# Allegro board 2522-mb-pro_vc.brd (continued)
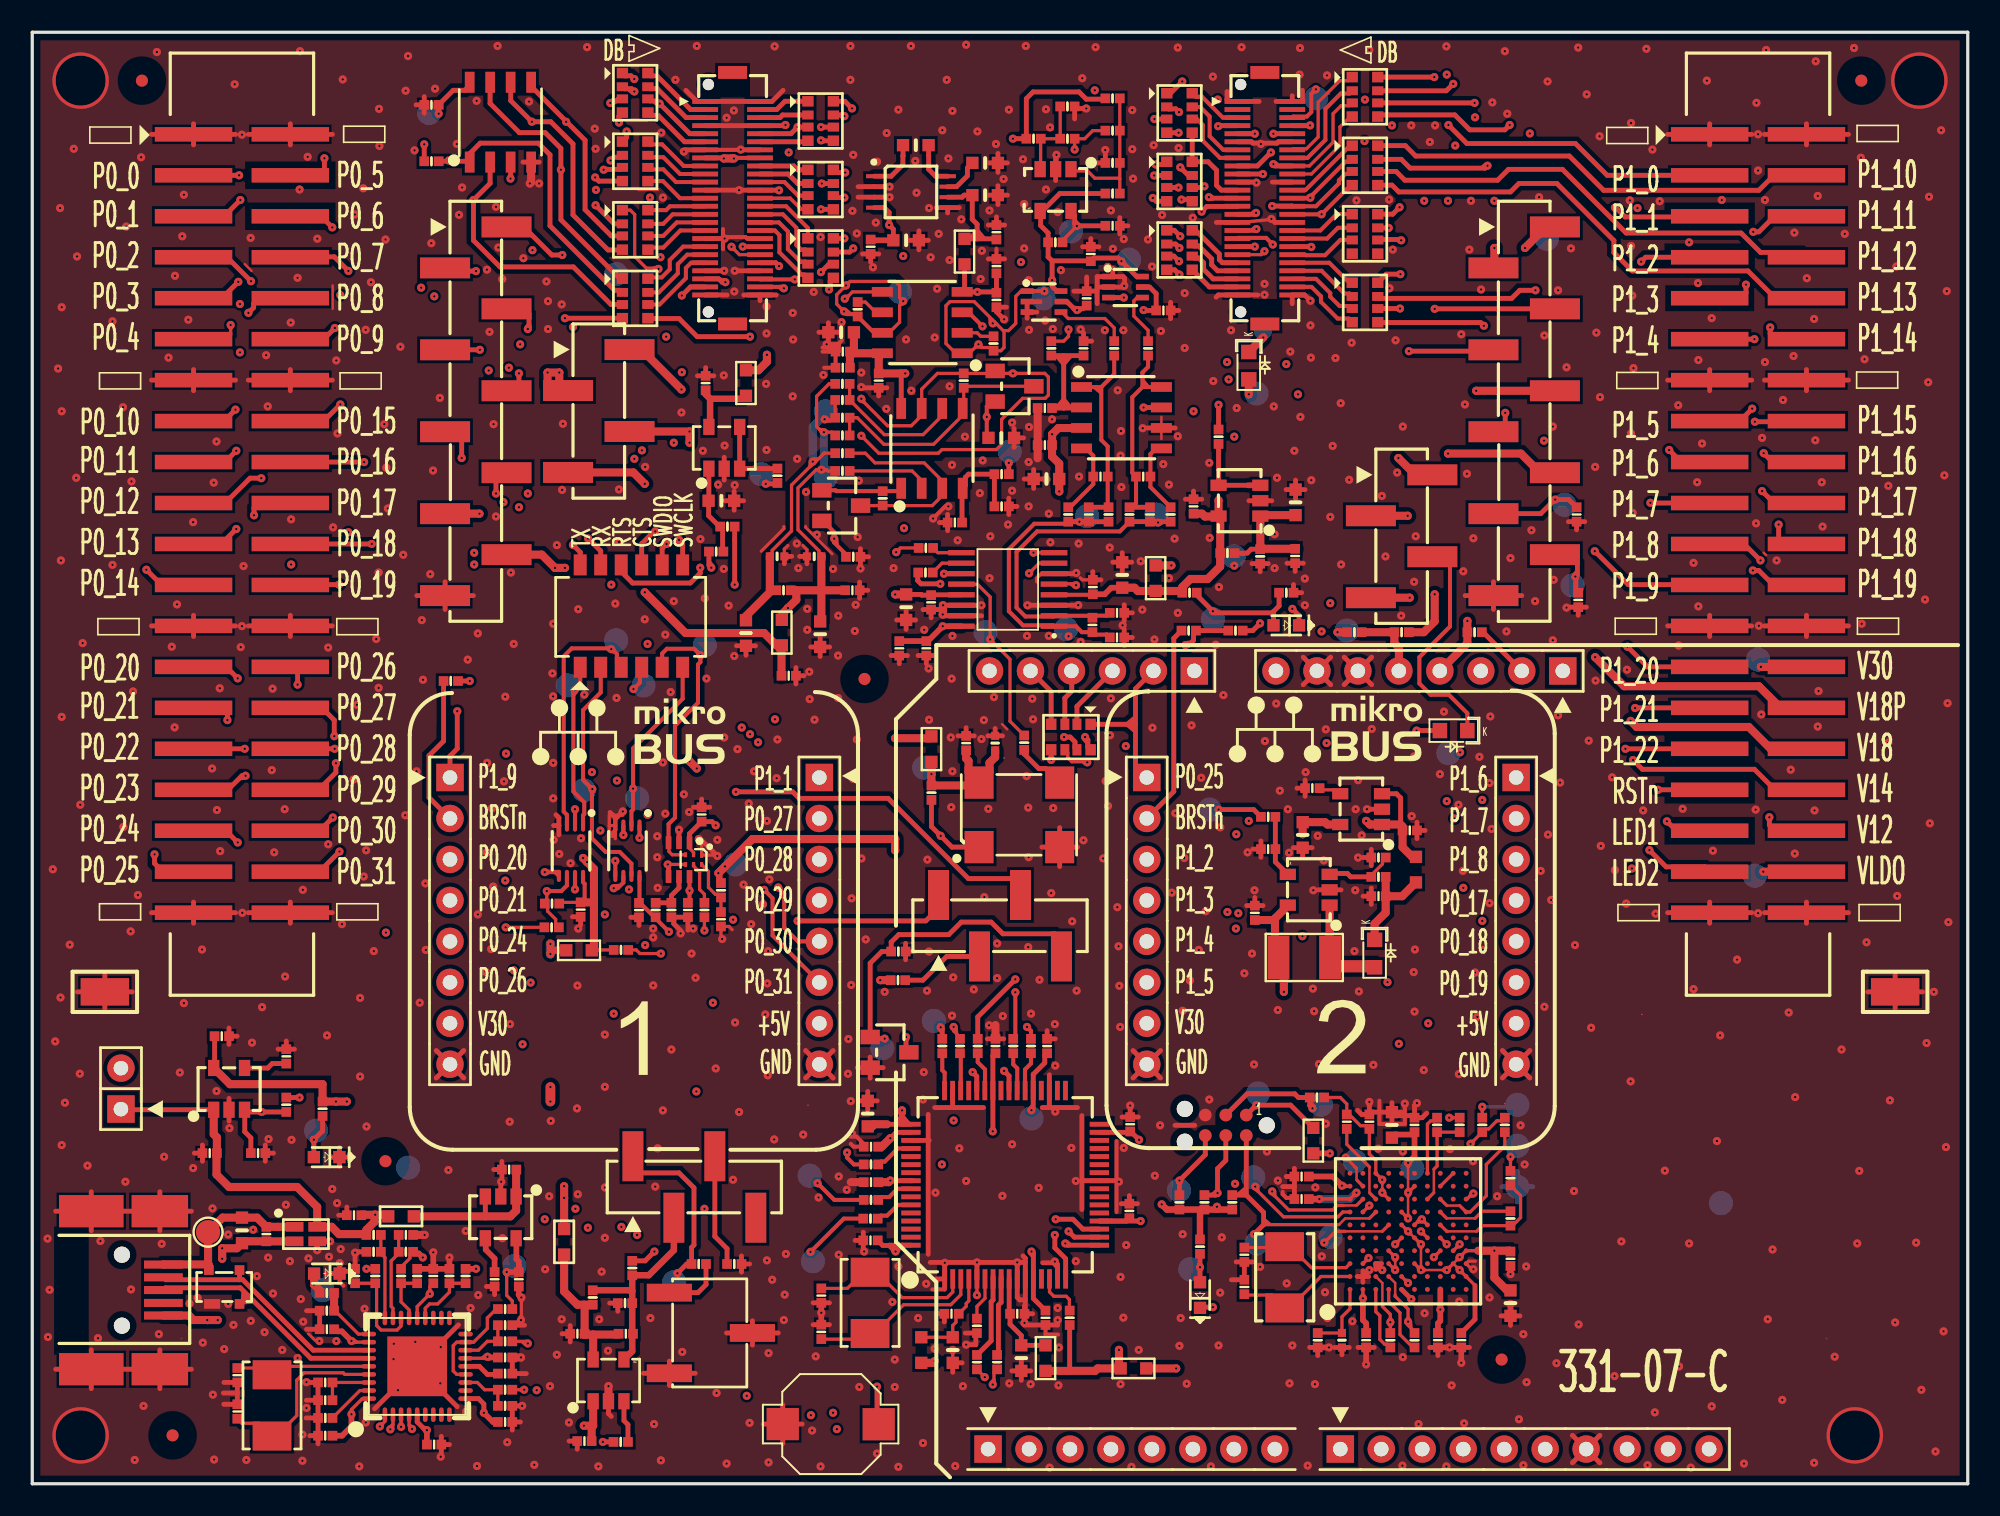
[diagram p0: board, top side]
## Routing (per net, layer and track width the routed paths; a pad name or vN(x,y) marks a point on that pad's centre or on a via; arc(x,y) is an arc through that point) (continued)
  TOP w0.25: 49.6,70.65 49.8,70.65 ; 49.6,70.65 v1(49.25,70.65) ; 49.6,70.65 49.6,70.25 49.65,70.2 ; 49.8,70.65 49.8,70.45 ; 49.8,70.65 49.95,70.65 ; C12.1 78.18,17.73 77.75,17.73 77.53,17.95 77.53,18.1 ; 49,70.45 49.8,70.45 ; 49.8,70.45 C95.2 ; C95.2 C93.1 49.1,69.2 ; C95.2 49.65,70.2 ; 19.06,13.03 19.06,12.52 19.3,12.28 ; 49.95,70.65 50.2,70.9 ; 49.95,70.65 50,70.6 50,70.2 ; J1.36 44.31,77.21 44.23,77.3 43.02,77.3 v1(42.92,77.21) ; 50.75,21.07 50.92,20.9 C60.1 51.55,21.07 51.1,21.52 50.73,21.52 ; 49.4,71.4 49.35,71.35 49.35,70.25 49.4,70.2 ; 83.53,23.75 83.53,22.31 85.1,22.31 v1(85.1,23.57) ; 49.4,70.2 49,70.2 ; 49.4,70.2 49.65,70.2 ; v1(56.8,60.6) 56.6,60.6 v1(55.85,59.85) ; 42.83,76.55 42.83,77.8 ; 36.15,41.23 U22.4 36.15,40.52 35.77,40.15 ; 43.91,82.71 J1.13 ; 55.8,12.05 56.57,12.05 U12.1 ; C48.1 62.82,9.25 63.6,9.25 ; 67.22,21.25 67.22,16.85 ; C107.2 59.78,76.58
  TOP w0.3: 10.05,20.5 C79.2 ; C79.2 10.55,20 ; C79.2 10.55,21 ; C105.1 76.18,39.85 ; C105.1 75.67,39.35 ; C105.1 76.18,38.84 ; R127.1 41.1,6.85 ; R127.1 39.5,7.61 ; R127.1 37.9,6.85 ; R127.1 39.5,6.09 ; v1(56.47,54.47) U8.14 v1(58.85,54.47) ; J2.37 v1(75.8,76.71) ; J1.14 43.94,82.71 v1(43.92,82.72) 43.91,82.71 ; 14.45,20 C104.1 ; C104.1 14.45,21 ; C104.1 14.95,20.5 ; 62.09,61.71 C26.2 ; C26.2 61.5,62.3 ; C26.2 62.67,62.3 ; C26.2 62.09,62.89 ; 19.5,17.16 C56.2 19,16.65 ; C78.1 16.25,26.95 ; C78.1 15.24,26.95 ; C78.1 15.75,27.45 ; 56.04,10.54 C55.1 56.55,10.04 ; 53.25,51.35 C84.1 ; C84.1 53.76,50.85 ; C84.1 54.26,51.35 ; 51.8,23.16 C61.2 ; C61.2 52.39,23.74 ; C61.2 51.21,23.74 ; C61.2 51.8,24.33 ; C87.1 85.85,41.02 ; C87.1 85.85,40.01 ; C87.1 86.36,40.51 ; 13.39,83.67 J3.2 ; J3.2 18.61,83.67 ; J3.2 16,83.02 ; J3.2 16,84.33 ; 60.55,60.09 R150.2 ; R150.2 60.55,61.1 ; R150.2 61.05,60.6 ; C36.1 59.7,46.83 ; C36.1 59.24,46.38 ; C36.1 60.16,46.38 ; C65.2 C66.2 17.02,6.28 v1(17,6.3) ; C65.2 R54.2 ; C65.2 17,5.18 ; v1(63.5,82.4) 63.48,82.38 63.48,81.4 ; 12.2,23.9 U14.2 12.2,22.48 ; J11.6 83.04,51.25 ; J11.6 81.34,51.25 ; J11.6 83.04,49.55 ; J11.6 81.34,49.55 ; 63.06,25.36 U12.35 63.06,23.4 ; 35.8,11.2 R25.2 36.3,10.7 ; 66.53,82.41 R115.1 66.03,81.9 ; 19.06,13.03 19.2,13.18 19.75,13.18 19.9,13.33 R58.2 v1(20.02,14.33) 19.96,14.38 R51.2 ; 19.06,13.03 18.23,13.03 ; 19.06,13.03 v1(19.06,13.68) ; 56.57,13.68 U12.1 56.04,12.7 ; C41.1 78.81,57.08 ; C41.1 77.8,57.08 ; C41.1 78.3,56.57 ; 83.3,13.29 U4.C3 83.66,13.65 ; C35.2 68.21,52.48 ; C35.2 67.7,51.97 ; C35.2 67.7,52.98 ; 95.49,3 J12.7 ; J12.7 97.19,1.3 ; J12.7 95.49,1.3 ; J12.7 97.19,3 ; Y2.2 63.7,40.68 ; Y2.2 64.81,39.48 ; Y2.2 62.59,39.48 ; Y2.2 63.7,38.27 ; 65.69,70.85 C29.1 65.18,71.35 ; C52.1 68.53,17.36 ; C52.1 67.52,17.36 ; C52.1 68.02,17.87 ; 51.3,55.4 51.3,55.91 ; 51.3,55.4 51.8,55.4 ; 51.3,55.4 51.3,54.9 ; 59.27,75.95 C107.2 60.28,75.95 ; 83.02,38.33 R84.2 ; R84.2 82.51,38.83 ; R84.2 83.02,39.34 ; 46.53,2.5 K1.2 ; K1.2 46.53,4.91 ; K1.2 47.73,3.7 ; K1.2 45.33,3.7 ; TP29.1 115.5,31.55 ; TP29.1 115.5,29.45 ; TP29.1 113.8,30.5 ; TP29.1 117.2,30.5 ; D5.1 19.04,20.84 ; D5.1 19.04,19.66 ; D5.1 19.63,20.25 ; D5.1 18.46,20.25 ; C39.1 68.21,54 ; C39.1 67.7,53.49 ; C39.1 67.7,54.51 ; 54.39,77.1 C113.2 ; C113.2 55.56,77.1 ; C113.2 54.97,77.69 ; C113.2 54.97,76.51 ; 59.29,79.9 C111.2 ; C111.2 59.87,79.31 ; C111.2 60.46,79.9 ; C111.2 59.87,80.49 ; 88.84,55.07 J20.10 ; J20.10 90.59,55.92 ; J20.10 90.59,54.22 ; J20.10 92.35,55.07 ; J4.39 106.61,35.41 ; J4.39 104,36.06 ; J4.39 101.39,35.41 ; J4.39 104,34.76 ; 13.39,35.41 J3.40 ; J3.40 18.61,35.41 ; J3.40 16,36.06 ; J3.40 16,34.76 ; v1(36.61,41.69) 36.15,41.23 36.15,41.3 35.83,41.62 ; 79.73,36.83 U18.2 81.14,36.83 ; 78.41,43.13 C88.2 ; C88.2 78.92,42.62 ; C88.2 78.92,43.63 ; 83.02,35.92 C89.1 ; C89.1 82.51,36.43 ; C89.1 83.02,36.94 ; 25.36,1.93 C73.1 ; C73.1 25.36,2.94 ; C73.1 25.87,2.43 ; 60.4,72.95 C108.1 59.78,72.67 v1(60.25,72.2) ; v1(79.3,76.69) 79.26,76.69 79.24,76.71 J2.38 ; C33.2 54.18,54.14 ; C33.2 54.77,53.56 ; C33.2 53.59,53.56 ; C33.2 54.18,52.97 ; J11.7 80.5,49.55 ; J11.7 78.8,51.25 ; J11.7 80.5,51.25 ; J11.7 78.8,49.55 ; 74.64,13.75 C18.2 ; C18.2 75.15,12.65 74.35,12.65 ; C18.2 75.66,13.75 ; J4.40 110,36.06 ; J4.40 107.39,35.41 ; J4.40 110,34.76 ; J4.40 112.61,35.41 ; 69.15,65.47 U7.6 70.86,65.47 ; J1.13 40.51,82.71 v1(40.4,82.6) ; C13.1 v1(91.65,13) ; U11.GND 23.86,7.29 26.43,9.85 ; U11.GND 23.86,7.28 21.23,4.65 ; U11.GND 23.86,7.26 26.35,4.78 ; 25.05,26.86 J15.8 ; J15.8 26.75,25.16 ; J15.8 26.75,26.86 ; J15.8 25.05,25.16 ; 80.75,8.45 C19.1 ; C19.1 81.2,8 ; C19.1 81.66,8.45 ; J4.1 104,84.33 ; J4.1 106.61,83.67 ; J4.1 101.39,83.67 ; J4.1 104,83.02 ; 95.75,59.15 C102.1 ; C102.1 95.25,59.65 ; C102.1 96.25,59.65 ; v1(46.7,84.25) 46.66,84.21 J1.8 J1.7 ; v1(40.2,34.12) 40.2,34.3 39.77,34.73 39.77,34.98 R149.2 C4.1 40.65,34.33 ; 62.48,73.3 U16.2 U16.3 ; 7.39,53.19 J3.25 ; J3.25 10,52.53 ; J3.25 10,53.84 ; J3.25 12.61,53.19 ; C6.1 85.7,23.45 v1(85.85,23.6) ; C6.1 85.68,22.7 85.55,22.82 84.52,22.82 C15.1 ; C6.1 86.17,22.7 86.45,22.98 ; C91.1 71.08,72.75 ; C91.1 70.58,73.25 ; C91.1 70.58,72.25 ; 34,34.65 C117.1 33.49,35.15 ; J2.12 77.26,83.21 77.17,83.12 76.22,83.12 v1(76.17,83.08) 76.12,83.12 75.67,83.12 75.59,83.21 J2.11 ; C15.1 84.89,23.04 ; C15.1 84.3,22.46 ; C15.1 84.3,23.63 ; C15.1 83.05,23.04 C10.1 ; 7.39,68.43 J3.13 ; J3.13 10,67.78 ; J3.13 10,69.08 ; J3.13 12.61,68.43 ; R54.2 16.98,4.08 ; R54.2 C68.2 ; C31.2 67.58,57.73 ; C31.2 66.99,57.14 ; C31.2 68.17,57.14 ; C31.2 67.58,56.56 ; C40.1 58.41,46.37 ; C40.1 57.4,46.37 ; C40.1 57.9,46.88 ; C106.1 44.84,51.96 ; C106.1 44.25,51.37 ; C106.1 43.66,51.96 ; C121.2 47.35,50.6 ; C121.2 47.85,50.1 ; C121.2 47.35,49.59 ; 77.75,19.05 C7.1 ; C7.1 78.25,18.43 ; C7.1 78.25,19.55 ; 58.5,9.34 58.5,8.62 v1(57.9,8.62) ; 58.5,9.34 R57.1 ; 58.5,9.34 57.85,9.34 ; 61.68,72.27 U16.3 ; U16.3 62.28,72.65 ; 44.12,73.71 J1.50 ; J1.50 45.12,73.36 ; J1.50 46.12,73.71 ; 16,67.78 J3.14 ; J3.14 13.39,68.43 ; J3.14 16,69.08 ; J3.14 18.61,68.43 ; 78.75,86.4 78.75,85.72 ; 56.04,79.12 56.76,79.12 ; 56.76,79.12 57.47,79.12 ; 56.76,79.12 56.76,78.8 ; 78.12,73.17 J2.50 78.89,73.71 v1(79.25,73.35) ; C43.1 55.94,51.35 ; C43.1 54.92,51.35 ; C43.1 55.43,50.85 ; 68.25,26.86 J17.8 ; J17.8 68.25,25.16 ; J17.8 69.95,25.16 ; J17.8 69.95,26.86 ; v1(53.15,79.78) 51.2,79.78 ; 43.05,9.35 R127.2 ; R127.2 46.26,9.35 ; R127.2 44.65,8.6 ; R127.2 44.65,10.11 ; 24.3,85 C92.1 ; C92.1 23.8,85.5 ; C92.1 24.3,86 ; 28.66,11.73 C76.1 28.16,12.23 ; J3.39 12.61,35.41 ; J3.39 10,34.76 ; J3.39 7.39,35.41 ; J3.39 10,36.06 ; R148.2 44.1,60.95 ; R148.2 43.52,60.36 ; R148.2 43.52,61.54 ; R148.2 42.93,60.95 ; J4.14 110,69.08 ; J4.14 112.61,68.43 ; J4.14 107.39,68.43 ; J4.14 110,67.78 ; 55.67,13.72 v1(58.58,13.72) ; v1(58.58,13.72) v1(61.07,13.72) ; v1(58.58,13.72) 58.57,13.72 U12.5 ; 78.25,18.43 C12.1 ; 78.25,18.43 77.53,18.43 ; C98.2 66.14,76.7 ; C98.2 65.12,76.7 ; C98.2 65.63,77.2 ; 110,52.53 J4.26 ; J4.26 107.39,53.19 ; J4.26 110,53.84 ; J4.26 112.61,53.19 ; C46.1 61.57,10.59 61.57,11.4 ; C46.1 61.52,11.04 ; C46.1 62.02,10.54 ; J1.35 v1(42.92,77.21) ; 63.45,80.8 U19.2 63.45,82.22 ; 54.15,32.49 R120.2 ; R120.2 54.15,33.51 ; R120.2 54.65,33 ; Q3.2 52.76,25.8 ; Q3.2 51.95,25.14 ; Q3.2 51.15,25.8 ; Q3.2 51.95,26.45 ; 51.48,76.25 C114.1 ; C114.1 52.48,76.25 ; C114.1 51.98,75.75 ; v1(64.85,54.48) 64.84,54.47 U8.3 v1(61.7,54.47) ; 67.56,22.74 C51.1 ; C51.1 68.58,22.74 ; C51.1 v1(68.07,23.45) ; 35.9,4.17 35.73,4.35 U5.2 ; 78.18,39.44 C86.2 ; C86.2 78.77,38.85 ; C86.2 79.35,39.44 ; 32.65,40.23 U23.4 ; U23.4 32.65,41.3 32.47,41.48 ; U23.4 32.32,40.81 ; 42.9,62.23 U1.2 42.9,63.65 ; 78.33,61.06 C44.2 ; C44.2 78.33,62.23 ; C44.2 78.91,61.64 ; C44.2 77.74,61.64 ; 3.66,15.7 USB1.8 ; USB1.8 1.45,16.9 ; USB1.8 3.66,18.11 ; USB1.8 USB1.9 ; TP28.1 4.5,31.55 ; TP28.1 4.5,29.45 ; TP28.1 6.21,30.5 ; TP28.1 2.79,30.5 ; 79.7,7.95 79.7,8.45 79.19,8.45 ; 77.11,85.71 J2.2 78.12,86.06 ; C85.1 75.8,36.35 ; C85.1 76.31,35.85 ; C85.1 75.3,35.85 ; C1.1 42.26,68.7 ; C1.1 41.24,68.7 ; C1.1 41.75,69.2 ; J16.8 49.65,26.86 ; J16.8 47.95,25.16 ; J16.8 49.65,25.16 ; J16.8 47.95,26.86 ; 67.14,18.79 U12.25 65.18,18.79 ; J1.44 v1(43.55,75.21) ; v1(61.52,9.97) 61.52,9.84 C48.1 63.58,9.84 v1(63.58,10.15) ; 101.39,68.43 J4.13 ; J4.13 106.61,68.43 ; J4.13 104,69.08 ; J4.13 104,67.78 ; 25.59,54.22 J19.10 ; J19.10 23.84,55.07 ; J19.10 25.59,55.92 ; J19.10 27.35,55.07 ; C97.1 67.43,78.5 ; C97.1 67.43,77.5 ; C97.1 67.93,78 ; 48.85,51.3 48.85,51.88 ; 48.85,51.88 48.26,51.88 ; 48.85,51.88 49.44,51.88 ; 48.85,51.88 48.85,52.47 ; USB1.9 7.91,18.11 ; USB1.9 9.87,16.9 ; USB1.9 7.91,15.7 ; 3.66,5.89 3.66,7.1 ; 3.66,7.1 1.45,7.1 ; 3.66,7.1 7.91,7.1 ; 3.66,7.1 3.66,8.3 ; 51.2,80.42 U20.2 v1(53.15,80.42) ; J4.25 106.61,53.19 ; J4.25 104,52.53 ; J4.25 104,53.84 ; J4.25 101.39,53.19 ; 51.52,14.59 51.52,15.09 ; 51.52,15.09 51.02,15.09 ; 51.52,15.09 51.52,15.6 ; 17.21,2.98 C68.2 ; C68.2 17.72,2.48 ; 37.11,35.12 C116.2 37.62,34.62 ; 12.2,27.25 C80.1 ; C80.1 12.7,27.75 ; C80.1 12.2,28.25 ; C103.2 96.36,54.35 ; C103.2 95.34,54.35 ; C103.2 95.85,53.85 ; J3.1 10,84.33 ; J3.1 7.39,83.67 ; J3.1 10,83.02 ; J3.1 12.61,83.67 ; J1.43 v1(42.9,75.21) ; R93.1 43.97,14.13 ; R93.1 44.48,13.62 ; R93.1 43.97,13.12 ; 17,9.58 C69.2 R56.2 17,10.73 ; 61.57,11.4 61.23,11.4 61.07,11.55 U12.10 v1(61.07,13.72) ; 61.57,11.4 U12.11 61.57,13.72 ; J18.8 92.85,25.16 ; J18.8 92.85,26.86 ; J18.8 91.15,25.16 ; J18.8 91.15,26.86 ; C3.1 42.01,41.95 ; C3.1 40.99,41.95 ; C3.1 41.5,42.45 ; 65.08,17 65.08,22.82 ; C45.2 61.32,7.58 ; C45.2 61.32,6.41 ; C45.2 61.91,7 ; C45.2 60.73,7 ; 71.5,61.05 C38.1 ; C38.1 72.5,61.05 ; C38.1 72,61.55 ; U12.47 57.06,23.34 57.08,23.32 ; 60.87,64.26 R112.2 ; R112.2 60.87,65.44 ; R112.2 61.46,64.85 ; v1(56.45,53.9) 56.53,53.82 U8.15 58.86,53.82 ; 62.92,28.09 C47.2 63.42,27.59 ; U13.2 29.05,18.7 v1(29.07,18.73) ; 46.63,57.05 C25.2 47.09,57.5 ; 65.75,56.55 C32.1 66.26,56.05 ; J1.23 v1(43.83,80.21) J1.24 46.29,80.21 v1(46.3,80.2) ; 110,83.02 J4.2 ; J4.2 110,84.33 ; J4.2 112.61,83.67 ; J4.2 107.39,83.67 ; 12.71,5.62 C63.2 11.88,6.28 ; 12.71,5.62 11.85,5.62 ; 12.71,5.62 C64.2 11.87,4.93 ; 62.65,13.7 63.33,13.7 v1(63.4,13.78) 63.57,13.61 U12.15 ; C24.2 49.36,71.99 ; C24.2 49.36,70.81 ; C24.2 48.77,71.4 ; U8.6 64.68,56.43 v1(64.72,56.48) ; 49.42,9.86 C74.2 48.41,9.86 ; 89.11,8.45 88.09,8.45 ; v1(41.33,39.98) 41.4,39.9 41.5,39.9 v1(42.48,38.92) ; 78.7,55.25 R136.1 78.2,55.76 ; v1(30.38,4.83) R50.2 C72.1 ; 51.35,56.97 R33.2 ; R33.2 51.85,57.48 ; R33.2 51.35,57.98 ; 30.63,6.83 C58.1 C71.1 ; 87.15,7.95 87.15,8.45 86.64,8.45 ; U4.B2 82.86,12.85 ; U4.B2 82.5,13.21 ; U4.B2 82.14,12.85 ; U4.B2 82.5,12.49 ; C112.1 60.28,78.05 ; C112.1 59.27,78.05 ; C112.1 59.78,78.55 ; 55.95,23.32 57.08,23.32 ; 57.08,23.32 58.98,23.32 ; 52.48,67.45 C23.1 ; C23.1 51.45,67.95 v1(51.4,68) ; C23.1 52.98,67.95 ; 30.43,81.95 U2.4 31.43,81.95 ; 66,73.95 65.53,73.95 65.45,74.03 C96.1 ; 82.17,23.15 82.43,22.9 C10.1 ; 29.98,9.83 R49.2 ; 29.98,9.83 30.52,9.83 ; 29.98,9.83 v1(30.3,10.15) ; v1(75.9,80.67) 75.86,80.71 J2.21 ; 13.39,53.19 J3.26 ; J3.26 16,52.53 ; J3.26 18.61,53.19 ; J3.26 16,53.84 ; C118.1 56.75,60.1 ; C118.1 56.25,59.6 ; C118.1 56.75,59.09 ; 61.57,13.72 61.57,13.98 61.42,14.12 ; 61.57,13.72 v1(61.07,13.72) ; v1(76.83,78.42) 77.04,78.21 J2.32 ; 70.85,22.23 72.08,22.23 ; C72.1 30.27,3.83 ; C72.1 29.76,3.33 ; 82.19,8.45 83.2,8.45 ; 46.55,86.4 45.86,85.71 J1.2 J1.1 41.22,85.71 40.52,86.4 ; 55.73,54.2 56.52,54.2 ; 55.73,54.2 55.23,54.2 ; 55.73,54.2 55.73,53.7 ; C96.1 64.58,73.95 ; C96.1 65.38,74.83 ; 66.99,74.85 67.62,74.85 67.72,74.75 67.72,74.3 v1(67.7,74.28) 67.62,74.2 U15.2 66.17,74.2 ; 66.99,74.85 U15.1 66.03,74.85 66.03,73.17 ; 66.99,74.85 66.99,75.36 ; 91.06,10.41 C14.1 ; C14.1 91.65,9.82 ; C14.1 92.24,10.41 ; 73.4,73.58 73.53,73.71 J2.49 75.98,73.71 ; R80.2 76.64,57.05 ; R80.2 76.13,56.55 ; R80.2 75.62,57.05 ; 7.91,5.89 7.91,7.1 ; 7.91,7.1 7.91,8.3 ; 7.91,7.1 9.87,7.1 ; J1.49 43.09,73.71 ; 29.12,18.98 C75.1 ; C75.1 29.12,19.98 ; C75.1 28.61,19.48 ; 75.43,60.95 U10.2 76.85,60.95 ; C110.2 60.46,81.9 ; C110.2 59.87,81.31 ; C110.2 59.87,82.49 ; C110.2 59.29,81.9 ; 49.4,71.4 50.09,71.4 ; C10.1 v1(82.9,23.68) ; 33.79,2.14 C20.2 33.28,2.65 ; 57.66,7.5 C54.2 57.07,6.91 ; 59.22,27.59 C50.2 60.23,27.59 ; 48.03,57.05 C28.1 47.58,57.5 ; 64.8,23.32 62.62,23.32 ; 55.55,22.9 55.55,14.22 ; v1(65.35,85.28) 64.75,85.28 64.63,85.4 64.63,84.63 ; U21.2 v1(40.1,40.55) ; 76.06,85.71 J2.1 74.22,85.71 74.08,85.85 74.08,86.33 ; 33.35,8.79 C21.1 ; C21.1 32.85,9.3 ; C21.1 33.35,9.8 ; J2.22 76.89,80.71 ; 49.42,11.22 C67.1 48.41,11.22 ; U17.2 v1(82.75,41.83) ; U12.51 55.61,21.29 ; J2.31 73.42,78.21
  TOP w0.35: C70.2 R60.2 ; C70.2 R64.2 v1(25.86,14.03) ; C70.2 v1(24.86,14.35) ; 87.15,8.45 87.78,8.45 87.83,8.5 v1(87.88,8.45) ; v1(17.66,14.48) L1.3 v1(18.46,15.03) ; C46.1 v1(61.52,9.97) ; 88.6,8.45 v1(88.6,7.5) ; C77.1 30.16,11.71 v1(30.32,11.55) ; 79.7,8.45 v1(80.4,8.45) ; C74.2 v1(48.92,10.6) C67.1 ; C14.1 v1(91.65,11.15) ; 82.7,8.45 v1(82.7,7.4)
  TOP w0.5: 62.33,63.58 C27.1 C99.1 ; C71.1 v1(30.3,7.83) ; C59.1 v1(24.32,15.43) ; U5.2 v1(35.73,6.05) ; C50.2 59.72,28.45 ; v1(56.45,53.9) 56.47,53.92 v1(56.47,54.47) ; U2.4 30.93,80.7 v1(30.85,80.62) ; C53.1 50.75,18.7
  L2_INT1 w0.3: J15.8 26.75,26.86 ; J15.8 25.05,26.86 ; J15.8 25.05,25.16 ; J15.8 26.75,25.16 ; J16.8 49.65,26.86 ; J16.8 49.65,25.16 ; J16.8 47.95,25.16 ; J16.8 47.95,26.86 ; J18.8 92.85,25.16 ; J18.8 91.15,26.86 ; J18.8 91.15,25.16 ; J18.8 92.85,26.86 ; 78.8,49.55 J11.7 ; J11.7 80.5,51.25 ; J11.7 78.8,51.25 ; J11.7 80.5,49.55 ; J11.6 83.04,49.55 ; J11.6 83.04,51.25 ; J11.6 81.34,51.25 ; J11.6 81.34,49.55 ; 68.25,25.16 J17.8 ; J17.8 69.95,26.86 ; J17.8 68.25,26.86 ; J17.8 69.95,25.16 ; 95.49,1.3 J12.7 ; J12.7 97.19,1.3 ; J12.7 95.49,3 ; J12.7 97.19,3
  L3_INT2 w0.15: v1(76.83,78.42) 76.7,78.3 75.58,78.3
  L3_INT2 w0.3: 91.15,26.86 J18.8 ; J18.8 92.85,26.86 ; J18.8 92.85,25.16 ; J18.8 91.15,25.16 ; J11.7 80.5,51.25 ; J11.7 78.8,51.25 ; J11.7 78.8,49.55 ; J11.7 80.5,49.55 ; J11.6 83.04,49.55 ; J11.6 81.34,49.55 ; J11.6 81.34,51.25 ; J11.6 83.04,51.25 ; 95.49,1.3 J12.7 ; J12.7 95.49,3 ; J12.7 97.19,3 ; J12.7 97.19,1.3 ; 25.05,26.86 J15.8 ; J15.8 26.75,26.86 ; J15.8 25.05,25.16 ; J15.8 26.75,25.16 ; 47.95,26.86 J16.8 49.65,26.86
  L3_INT2 w0.5: v1(85.5,84.22) v1(86.97,84.22) ; 67.51,26.01 J17.8 70.53,26.01
  L4_INT3 w0.3: J16.8 49.65,25.16 ; J16.8 49.65,26.86 ; J16.8 47.95,26.86 ; J16.8 47.95,25.16 ; 25.05,25.16 J15.8 ; J15.8 26.75,25.16 ; J15.8 25.05,26.86 ; J15.8 26.75,26.86 ; J11.6 83.04,49.55 ; J11.6 81.34,51.25 ; J11.6 83.04,51.25 ; J11.6 81.34,49.55 ; 95.49,1.3 J12.7 ; J12.7 95.49,3 ; J12.7 97.19,1.3 ; J12.7 97.19,3 ; J11.7 80.5,51.25 ; J11.7 80.5,49.55 ; J11.7 78.8,51.25 ; J11.7 78.8,49.55 ; 91.15,26.86 J18.8 ; J18.8 91.15,25.16 ; J18.8 92.85,25.16 ; J18.8 92.85,26.86 ; J17.8 69.95,26.86 ; J17.8 68.25,26.86 ; J17.8 69.95,25.16 ; J17.8 68.25,25.16
  L5_INT4 w0.3: 80.28,51.52 J11.7 79.65,52.02 ; J11.6 83.04,51.25 ; J11.6 82.19,51.91 ; J11.6 82.19,48.91 ; J11.6 83.04,49.55 ; J16.8 49.65,25.16 ; J16.8 49.65,26.86 ; J16.8 47.95,25.16 ; J16.8 47.95,26.86 ; J12.7 97.19,3 ; J12.7 95.49,1.3 ; J12.7 95.49,3 ; J12.7 97.19,1.3 ; J18.8 92.85,25.16 ; J18.8 92.85,26.86 ; J18.8 91.15,26.86 ; J17.8 69.95,25.16 ; J17.8 68.25,26.86 ; J17.8 69.95,26.86 ; J17.8 68.25,25.16 ; 25.05,26.86 J15.8 ; J15.8 26.75,25.16 ; J15.8 26.75,26.86 ; J15.8 25.05,25.16
  BOTTOM w0.3: 25.05,25.16 J15.8 ; J15.8 26.75,25.16 ; J15.8 25.05,26.86 ; J15.8 26.75,26.86 ; 47.95,26.86 J16.8 ; J16.8 49.65,25.16 ; J16.8 49.65,26.86 ; J16.8 47.95,25.16 ; 68.25,26.86 J17.8 ; J17.8 68.25,25.16 ; J17.8 69.95,26.86 ; J17.8 69.95,25.16 ; 92.08,17.46 TP78.1 ; TP78.1 93.03,18.41 ; TP78.1 92.08,19.37 ; TP78.1 91.12,18.41 ; J18.8 92.85,25.16 ; J18.8 91.15,26.86 ; J18.8 92.85,26.86 ; J18.8 91.15,25.16 ; J11.7 80.5,51.25 ; J11.7 78.8,49.55 ; J11.7 80.5,49.55 ; J11.7 78.8,51.25 ; 95.49,3 J12.7 ; J12.7 95.49,1.3 ; J12.7 97.19,1.3 ; J12.7 97.19,3 ; J11.6 83.04,51.25 ; J11.6 81.34,49.55 ; J11.6 81.34,51.25 ; J11.6 83.04,49.55
  vias: v1(0.95,15.2) v1(0.97,9.1) v1(1.07,12.03) v1(1.27,38.1) v1(1.43,27.43) v1(1.6,69.15) v1(1.73,79.1) v1(1.82,72.95) v1(1.82,66.5) v1(1.77,57.25) v1(1.82,47.55) v1(1.75,30.15) v1(1.82,21) v1(2.02,23.62) v1(2.33,33.42) v1(2.58,82.78) v1(2.73,62.38) v1(2.77,76.1) v1(2.98,42.1) v1(2.95,25.43) v1(3.12,52.12) v1(3.42,19.73) v1(4.08,9.03) v1(4.22,15.05) v1(4.97,72.08) v1(4.97,56.98) v1(5.62,66.75) v1(5.65,40.73) v1(5.83,77.95) v1(5.78,18.73) v1(6.1,34.25) v1(6.12,12.05) v1(6.15,62.15) v1(6.25,49.12) v1(6.35,1.48) v1(6.55,36.5) v1(6.75,82.25) v1(6.9,4.83) v1(7.72,88.78) v1(7.85,9.28) v1(8.03,14.88) v1(8.18,20.27) v1(8.45,69.83) v1(8.65,51.9) v1(8.85,74.9) v1(8.82,46.9) v1(8.97,54.52) v1(9.15,25.5) v1(9.3,77.35) v1(9.4,79.92) v1(9.4,29.8) v1(9.68,72.17) v1(9.75,11.18) v1(9.97,59.62) v1(9.97,19.57) v1(10.25,11.53) v1(10.53,33.12) v1(10.57,8.75) v1(11.25,62.08) v1(11.15,44.35) v1(11.18,17.07) v1(11.2,5.53) v1(11.28,1.5) v1(11.43,64.62) v1(11.45,41.77) v1(11.43,24.35) v1(11.62,49.33) v1(11.65,39.23) v1(11.9,8.35) v1(12.22,22.05) v1(12.15,15.45) v1(12.15,11.15) v1(12.47,9.85) v1(12.55,86.78) v1(12.93,51.88) v1(13,83.65) v1(13,53.17) v1(13.03,35.4) v1(13.1,56.9) v1(13.28,1.48) v1(13.54,77.25) v1(13.62,27.35) v1(13.55,10.1) v1(13.7,15.75) v1(13.93,12.88) v1(14.25,29.55) v1(14.4,9.4) v1(14.5,69.97) v1(14.6,66.8) v1(14.62,14.03) v1(14.65,21.38) v1(14.85,44.25) v1(14.9,49.3) v1(14.93,11.8) v1(15,39.15) v1(15.5,8.3) v1(15.65,41.83) v1(15.68,31.45) v1(15.72,17.3) v1(16.02,72) v1(15.97,13.8) v1(16.05,59.8) v1(16.07,21.32) v1(16.45,74.78) v1(16.45,7.8) v1(16.6,88.83) v1(16.57,80.25) v1(16.65,11.45) v1(16.77,36.83) v1(16.8,10.05) v1(16.75,3.05) v1(16.75,1.43) v1(17,4.7) v1(17.07,82.28) v1(17.12,13.97) v1(17.68,77.2) v1(17.8,8.85) v1(18.27,27.8) v1(18.35,51.85) v1(18.35,39.65) v1(18.4,14.07) v1(18.65,59.3) v1(18.6,18.27) v1(18.85,69.65) v1(18.93,65.12) v1(18.9,17.4) v1(18.85,8.85) v1(19.12,14.55) v1(19.25,87.08) v1(19.2,34.7) v1(19.93,43.67) v1(20,78.7) v1(20.12,48.3) v1(20.32,30.12) v1(20.32,25.25) v1(20.27,1.07) v1(20.52,80.33) v1(20.55,37.65) v1(20.6,10.85) v1(20.68,71.55) v1(20.7,39.27) v1(20.73,22.15) v1(20.68,3.8) v1(21,74.5) v1(21.18,33.02) v1(21.32,52.38) v1(21.5,85.25) v1(21.52,82.95) v1(21.48,56.5) v1(21.48,49.35) v1(21.82,65.7) v1(21.9,77.15) v1(21.95,63) v1(22.05,60.48) v1(22.41,8.68) v1(22.4,7.72) v1(22.68,5.8) v1(22.82,70.5) v1(23,57.6) v1(23.15,86.38) v1(23.12,41.45) v1(23.3,88.53) v1(23.7,82.67) v1(23.82,44.17) v1(23.75,8.8) v1(24.02,29.82) v1(24.15,53.55) v1(24.23,49.85) v1(24.38,37.23) v1(24.4,33.1) v1(24.74,76.92) v1(24.68,56.4) v1(24.85,62.83) v1(24.98,86.5) v1(25.27,67.33) v1(25.32,8.47) v1(25.3,6.22) v1(25.32,1.68) v1(25.8,19.45) v1(26.32,83.08) v1(26.46,78.68) v1(26.65,80.38) v1(26.88,15.68) v1(26.9,4.47) v1(27,51.1) v1(27.18,10.9) v1(27.55,85.75) v1(27.62,52.73) v1(27.62,35.3) v1(27.65,11.7) v1(27.57,1.1) v1(28.1,31.75) v1(28.19,75.28) v1(28.2,44.7) v1(28.18,39.15) v1(28.35,71.42) v1(28.45,33.15) v1(28.5,41.88) v1(28.6,65.7) v1(28.57,37.02) v1(28.75,79.17) v1(28.75,59.98) v1(28.85,89.15) v1(28.9,76.65) v1(29.14,74.69) v1(29.15,15.22) v1(29.25,43.55) v1(29.32,48.8) v1(29.45,2.58) v1(29.62,28.5) v1(29.6,22.45) v1(29.68,56.5) v1(29.85,52.08) v1(30.45,75.99) v1(30.8,85.7) v1(31.12,1.18) v1(31.43,80.62) v1(31.8,13.3) v1(31.88,74.55) v1(31.98,73.33) v1(31.98,71.6) v1(32.05,17.82) v1(32.15,22.5) v1(32.1,6.05) v1(32.25,50.25) v1(32.3,53.33) v1(32.29,48.82) v1(32.3,44.7) v1(32.3,42.5) v1(32.33,39.92) v1(32.52,58.2) v1(32.52,8) v1(32.67,39.05) v1(32.83,73.12) v1(32.83,10.2) v1(32.9,65.72) v1(32.85,61.62) v1(33.27,3.8) v1(33.38,38.48) v1(33.8,30.89) v1(33.77,23.27) v1(33.83,17.95) v1(33.85,54.23) v1(33.85,34.42) v1(34.02,40.02) v1(34.23,48.93) v1(34.4,89.08) v1(34.88,84.03) v1(34.92,82.78) v1(35.15,10.2) v1(35.1,1.07) v1(35.3,13.15) v1(35.5,27.85) v1(35.5,24.61) v1(35.51,18.37) v1(35.5,15.25) v1(35.7,8.25) v1(36.15,54.58) v1(36.23,48.73) v1(36.23,44.75) v1(36.38,61.65) v1(36.38,58.4) v1(38,63.05) v1(37.98,53.6) v1(38.33,10.28) v1(38.5,34.42) v1(38.5,33.88) v1(38.5,30.9) v1(38.55,3.7) v1(38.62,18.43) v1(38.75,40.15) v1(38.75,38.85) v1(38.77,36.95) v1(38.77,20.8) v1(39,83.78) v1(38.95,76.05) v1(38.98,1.45) v1(39.1,79.75) v1(39.1,44.73) v1(39.1,23.15) v1(39.25,52.65) v1(39.25,41.55) v1(39.58,49.09) v1(39.62,26.93) v1(39.77,54.73) v1(39.88,87.05) v1(40.25,66.42) v1(40.3,8.18) v1(40.4,42.75) v1(40.73,41.65) v1(40.88,32.88) v1(40.98,34.42) v1(41.12,31.38) v1(41.2,89.15) v1(41.42,58.58) v1(41.58,64.05) v1(41.7,54.9) v1(41.8,49.92) v1(42.38,25.75) v1(42.42,5.62) v1(42.52,61.95) v1(42.48,39.92) v1(42.77,33.77) v1(42.88,68.72) v1(42.92,64.38) v1(42.88,56.73) v1(42.9,46.27) v1(43.05,84.7) v1(43.05,1.25) v1(43.17,54.45) v1(43.5,85.15) v1(43.52,73.92) v1(43.55,61.92) v1(43.52,51.33) v1(43.45,18.85) v1(43.58,28.6) v1(43.73,45.55) v1(43.83,23.05) v1(44.1,37.15) v1(44.42,42.17) v1(44.48,3.77) v1(44.58,34.7) v1(44.75,44.17) v1(45.3,35.92) v1(45.52,73) v1(45.52,71.33) v1(45.5,68.2) v1(45.52,64.1) v1(45.55,41.1) v1(45.45,29.1) v1(45.55,13.85) v1(45.62,33.02) v1(45.58,31.02) v1(45.6,25.32) v1(45.65,8.1) v1(45.65,1.32) v1(45.7,37.48) v1(45.88,12.65) v1(46.02,89.12) v1(46,21.35) v1(46.15,43.75) v1(46.2,46.15) v1(46.65,11.72) v1(46.6,10.15) v1(46.73,14.25) v1(47.15,72.6) v1(47.15,67.42) v1(47.17,70.95) v1(47.42,63.55) v1(47.4,58.3) v1(47.5,56.77) v1(47.8,21.65) v1(47.98,61.5) v1(48.05,54.25) v1(48.05,52.95) v1(48.17,50.35) v1(48.2,48.65) v1(48.35,3.3) v1(48.45,73.9) v1(48.5,47.38) v1(48.65,58.85) v1(48.58,7.9) v1(48.75,17.75) v1(48.88,77.3) v1(48.88,1.07) v1(49.05,68.75) v1(49.65,56.73) v1(49.98,53.83) v1(49.96,51.35) v1(49.96,48.72) v1(50,19.05) v1(50,14.2) v1(50.17,72.03) v1(50.5,18.23) v1(50.6,27.57) v1(50.58,25.43) v1(50.73,89.15) v1(50.73,87.05) v1(50.8,36.3) v1(50.77,30.93) v1(50.75,23.73) v1(50.82,21.71) v1(50.9,82.4) v1(50.85,78.92) v1(50.9,43.7) v1(51.05,54.5) v1(51,52.88) v1(51.12,77.53) v1(51.12,46.15) v1(51.25,62.2) v1(51.17,58.7) v1(51.27,6) v1(51.4,68.9) v1(51.35,56.75) v1(51.41,38.77) v1(51.57,14.4) v1(51.67,33.75) v1(52.12,75.42) v1(52.3,78.2) v1(52.38,81.97) v1(52.38,1.88) v1(52.85,30.5) v1(52.98,83.75) v1(52.95,66.65) v1(53.33,11.28) v1(53.4,56.77) v1(53.48,7.7) v1(53.48,6) v1(53.7,85.2) v1(53.7,13.47) v1(53.7,1.05) v1(54.17,70.95) v1(54.48,89.15) v1(54.5,67.78) v1(54.75,82.03) v1(54.83,80.05) v1(54.92,10.28) v1(55.23,23.82) v1(55.23,2.52) v1(55.3,52.95) v1(55.27,25.52) v1(55.42,12.4) v1(55.5,38.7) v1(55.48,30.57) v1(55.6,79.1) v1(55.58,50.55) v1(55.6,47.38) v1(55.6,33) v1(55.7,76.05) v1(55.95,71.08) v1(56,18.05) v1(55.95,8.38) v1(56.1,74.1) v1(56.2,77.5) v1(56.42,83.92) v1(56.58,13.7) v1(56.7,87.05) v1(56.8,82.17) v1(56.88,75.88) v1(56.88,68.05) v1(57.05,85.12) v1(57.02,63.17) v1(57.05,52.57) v1(57,49.92) v1(56.95,46.27) v1(57.05,44.17) v1(56.98,41.95) v1(57.02,29.02) v1(57.1,31.4) v1(57.23,1.1) v1(57.38,58.5) v1(57.48,20.8) v1(57.6,78.4) v1(57.7,6.05) v1(57.83,64.92) v1(57.9,89.22) v1(57.9,18.77) v1(58.38,30.65) v1(58.6,83.85) v1(58.8,74.7) v1(58.75,61.42) v1(58.88,76.45) v1(58.92,63.45) v1(58.85,46.17) v1(59,47.35) v1(59.02,36.38) v1(59.27,41.85) v1(59.32,28.43) v1(59.35,78.95) v1(59.4,58.75) v1(59.35,56.15) v1(59.62,48.77) v1(59.75,83.08) v1(59.83,33.5) v1(59.83,31.35) v1(60.15,17.85) v1(60.23,80.9) v1(60.17,29) v1(60.55,85.2) v1(60.5,59.48) v1(60.58,6.22) v1(60.75,65.8) v1(60.75,61.58) v1(60.75,21.05) v1(61.42,82.12) v1(61.5,79.35) v1(61.5,76.6) v1(61.6,89.15) v1(61.65,43.88) v1(61.67,52.58) v1(61.77,74.62) v1(61.8,71.55) v1(61.8,65.53) v1(61.77,63.35) v1(61.77,60.6) v1(61.75,41.92) v1(61.77,38.85) v1(61.75,33.27) v1(61.92,29.15) v1(61.9,6.17) v1(62,48.67) v1(62.05,47.4) v1(62.4,18.35) v1(62.45,31.25) v1(62.8,72.12) v1(62.85,85.22) v1(62.85,80.25) v1(62.88,62.27) v1(63.02,60.15) v1(63.02,52.58) v1(63.1,84.1) v1(63.12,58.38) v1(63.08,1) v1(63.23,66) v1(63.17,36.62) v1(63.27,71.6) v1(63.3,41.9) v1(63.4,28.5) v1(63.42,25.93) v1(63.42,23.07) v1(63.58,78.85) v1(63.58,10.9) v1(63.65,8.45) v1(63.62,6.1) v1(63.77,75.25) v1(64.42,20.82) v1(64.47,34.88) v1(64.7,18.77) v1(64.7,13.8) v1(64.75,30.57) v1(64.9,68.9) v1(64.9,62.45) v1(64.88,58.3) v1(65,71.58) v1(65,52.2) v1(65.1,87.15) v1(65.17,39.9) v1(65.92,89.08) v1(66.4,38.77) v1(66.53,82.7) v1(66.5,71.53) v1(66.55,43.58) v1(66.67,75.45) v1(66.7,42.02) v1(66.8,58.05) v1(66.82,46.41) v1(66.88,78.95) v1(66.88,48.7) v1(67,76.58) v1(67.3,67.8) v1(67.28,35.75) v1(67.35,33.33) v1(67.4,30.88) v1(67.38,18.73) v1(67.5,65.28) v1(67.47,63.75) v1(67.53,61.8) v1(67.45,28.32) v1(67.47,12.82) v1(67.47,6.17) v1(67.6,53.23) v1(67.67,77.17) v1(67.65,71.53) v1(67.67,20.82) v1(67.65,10.3) v1(67.83,14.8) v1(68.2,85.17) v1(68.2,82.75) v1(68.25,80.92) v1(68.15,1.05) v1(68.6,8.3) v1(68.72,57.2) v1(68.85,65.45) v1(68.83,54.2) v1(69.17,77.15) v1(69.42,75.47) v1(69.53,83) v1(69.45,46.88) v1(69.58,52.35) v1(69.6,19.1) v1(69.92,22.23) v1(70.05,78.67) v1(69.97,71.47) v1(70.12,63.23) v1(70.47,61.95) v1(70.47,56.15) v1(70.65,36.65) v1(70.83,58.6) v1(70.88,41.58) v1(71.03,89.05) v1(71.03,64.95) v1(71.03,54) v1(71.08,82.83) v1(71.12,8.55) v1(71.2,10.28) v1(71.33,29.32) v1(71.33,15.47) v1(71.42,38.8) v1(71.45,73.83) v1(71.45,70.42) v1(71.58,6.2) v1(71.78,31.2) v1(71.88,47.02) v1(71.95,78.5) v1(72.33,33.1) v1(72.47,43.77) v1(72.75,35.5) v1(72.97,63.3) v1(73,58.65) v1(72.97,23.82) v1(73.08,1.07) v1(73.2,87.25) v1(73.22,68.38) v1(73.38,52.02) v1(73.55,8.57) v1(73.58,55.6) v1(73.65,40.7) v1(73.65,11.85) v1(73.85,48.9) v1(73.75,15.28) v1(74.33,71.53) v1(74.58,18.6) v1(74.67,66.7) v1(74.97,89.08) v1(75.15,31.65) v1(75.35,39.15) v1(75.62,32.88) v1(75.78,36.8) v1(75.75,26) v1(76.12,13.45) v1(76.4,74.4) v1(76.4,73.72) v1(76.42,46.05) v1(76.55,20.6) v1(76.97,66.8) v1(77.03,58.88) v1(77.03,56.77) v1(77.12,48.38) v1(77.17,62.38) v1(77.22,29.38) v1(77.22,18.8) v1(77.35,42.98) v1(77.85,41.83) v1(77.78,12.43) v1(77.92,39.12) v1(78,70.2) v1(77.95,6.22) v1(78.12,8.57) v1(78.25,64.05) v1(78.6,89.03) v1(78.58,87.38) v1(78.62,66.15) v1(78.9,56.12) v1(78.9,54.48) v1(78.95,44.12) v1(79.08,1.12) v1(79.25,71.83) v1(79.28,69.83) v1(79.3,62.23) v1(79.42,36.8) v1(79.4,30.7) v1(79.47,29.3) v1(79.55,18.38) v1(79.53,6.17) v1(79.7,40.17) v1(79.78,26.02) v1(79.95,14.1) v1(80.08,38.65) v1(80.2,46.77) v1(80.2,22.32) v1(80.15,11.88) v1(80.28,87.33) v1(80.3,10.28) v1(80.47,59.95) v1(80.62,64.35) v1(80.8,69.8) v1(81.12,67) v1(81.15,57) v1(81.65,62.25) v1(81.8,70.75) v1(81.85,10.07) v1(82.05,41.83) v1(82.03,36.8) v1(81.97,33.02) v1(82.1,79.58) v1(82.2,43.62) v1(82.2,38.83) v1(82.25,30.52) v1(82.42,40.2) v1(82.9,88.9) v1(83.05,46.8) v1(83.15,25.98) v1(83.45,20.77) v1(83.67,61.25) v1(83.9,57.5) v1(84.12,79.62) v1(84.15,74.12) v1(84.35,76.53) v1(84.53,70.9) v1(84.62,62.7) v1(84.88,53.83) v1(84.97,65.55) v1(84.97,20.6) v1(84.97,7.85) v1(84.95,1.12) v1(85.53,41.4) v1(85.67,55.92) v1(85.67,45.1) v1(85.72,33.12) v1(85.65,31.73) v1(85.7,29.27) v1(85.78,58.75) v1(85.95,3.7) v1(86.28,25.65) v1(86.33,10.57) v1(86.65,83.2) v1(87.28,44) v1(87.53,47.88) v1(87.67,89.12) v1(87.67,1.07) v1(87.9,20.75) v1(88,6.1) v1(88.42,42.1) v1(88.45,25.4) v1(88.47,11.3) v1(88.6,71.28) v1(88.72,56.58) v1(88.7,38) v1(88.83,66.92) v1(88.78,3.75) v1(88.95,62.62) v1(89.1,76.53) v1(89.2,79.55) v1(89.35,58.62) v1(89.33,20) v1(89.45,31.7) v1(89.6,28.95) v1(89.72,45.08) v1(89.83,74.05) v1(89.92,33.1) v1(90.35,43.45) v1(90.35,36) v1(90.35,11.55) v1(90.4,47.58) v1(90.53,85.65) v1(90.47,40.6) v1(90.83,17.82) v1(91.3,88.83) v1(91.4,52.85) v1(91.45,84.95) v1(91.65,57.4) v1(92.17,4) v1(92.28,22.23) v1(92.53,19.8) v1(92.45,9.28) v1(92.45,1.15) v1(92.62,13.47) v1(92.65,6.3) v1(92.95,59.12) v1(93.17,54.73) v1(93.42,79.78) v1(93.53,38) v1(93.75,71.2) v1(93.75,29.57) v1(93.95,86.95) v1(93.97,40.25) v1(94.17,36.2) v1(94.28,65.55) v1(94.33,56.05) v1(94.28,52.3) v1(94.5,7.47) v1(94.6,74) v1(94.6,47.65) v1(94.72,43.48) v1(95.12,69.22) v1(95.12,54.33) v1(95.4,76.6) v1(95.59,18.15) v1(95.65,33.4) v1(95.85,89.05) v1(95.88,9.88) v1(96.38,86.15) v1(96.5,46.08) v1(96.65,28.27) v1(96.9,63.05) v1(96.92,49.8) v1(96.97,71.38) v1(97.17,83.55) v1(97.2,67.38) v1(97.25,39.55) v1(97.95,43.8) v1(98.12,38.05) v1(98.1,6.67) v1(98.53,15.03) v1(98.83,35.98) v1(98.88,50.48) v1(99.05,79.58) v1(99.12,84.38) v1(99.12,76.75) v1(99.12,65.12) v1(99.1,24.95) v1(99.2,73.67) v1(99.22,60.2) v1(99.28,69.17) v1(99.88,41.75) v1(100.08,88.97) v1(100.15,1.15) v1(100.45,82.72) v1(100.6,4.42) v1(100.65,35.35) v1(100.9,79.53) v1(101.22,19.41) v1(102.05,66.88) v1(102.08,51.98) v1(102.1,7.28) v1(102.33,41.85) v1(102.72,76.97) v1(102.72,14.9) v1(102.83,1) v1(103,57.1) v1(103,30.68) v1(103.22,62.1) v1(103.28,74.45) v1(103.3,69.67) v1(103.3,54.4) v1(103.53,64.5) v1(103.83,87) v1(104.12,72.28) v1(104.12,4.8) v1(104.2,39.25) v1(104.45,21.25) v1(104.65,27.8) v1(104.75,79.6) v1(105.7,32.5) v1(106.12,1.25) v1(106.85,41.8) v1(106.9,85.62) v1(106.88,59.55) v1(107,83.67) v1(107,81.42) v1(107.05,53.2) v1(107,35.38) v1(107.25,64.85) v1(107.2,47.7) v1(107.42,79.6) v1(107.42,69.55) v1(107.5,88.9) v1(107.6,10.2) v1(107.9,14.53) v1(108.15,57.25) v1(108.55,67.2) v1(108.5,5.2) v1(108.9,29.22) v1(109.03,44.27) v1(109.25,77.58) v1(109.2,69.92) v1(109.28,39.08) v1(109.3,23.98) v1(110.03,74.75) v1(110.47,72.22) v1(110.55,64.7) v1(110.5,41.75) v1(110.47,1.3) v1(110.58,88.2) v1(110.7,79.85) v1(110.7,46.95) v1(110.75,49.15) v1(110.95,62.1) v1(111,59.35) v1(111.75,7.88) v1(112.17,26.93) v1(112.38,77.5) v1(112.95,89.03) v1(113.15,14.9) v1(113.28,19.4) v1(113.38,82.22) v1(113.42,53.33) v1(113.6,69.72) v1(113.72,33.58) v1(115.08,61.88) v1(115.08,45.95) v1(115.17,23.77) v1(115.5,10) v1(115.58,75.47) v1(115.62,36.45) v1(116.8,14.95) v1(117.12,5.83) v1(117.35,54.83) v1(117.55,68.3) v1(117.45,27.32) v1(117.6,79.8) v1(117.65,40.95) v1(117.9,30.5) v1(118,2) v1(118.35,83.92) v1(118.55,62.52) v1(118.5,9.45) v1(118.7,73.95) v1(118.65,20.88) v1(118.75,48.4) v1(118.8,34.83) v2(3,87) v2(3,3) v2(113,3) v2(117,87)
